# Altium PCB ALCT_MEZ_LX100.PcbDoc (part 5 of 10)
Units mil, origin at the board's own origin, x right, y up, seen from the top; angles counter-clockwise.
Board outline 4100 x 5874.84 mil, 12 copper layers (Top Layer, GND, Mid-Layer 2, +3V3, Mid-Layer 4, +1V2, Mid-Layer 6, +1V8, Mid-Layer 8, +2V5, Mid-Layer 10, Bottom Layer), stack 64.7 mil thick; 544 components, 646 nets, 3089 pads, 1750 vias.
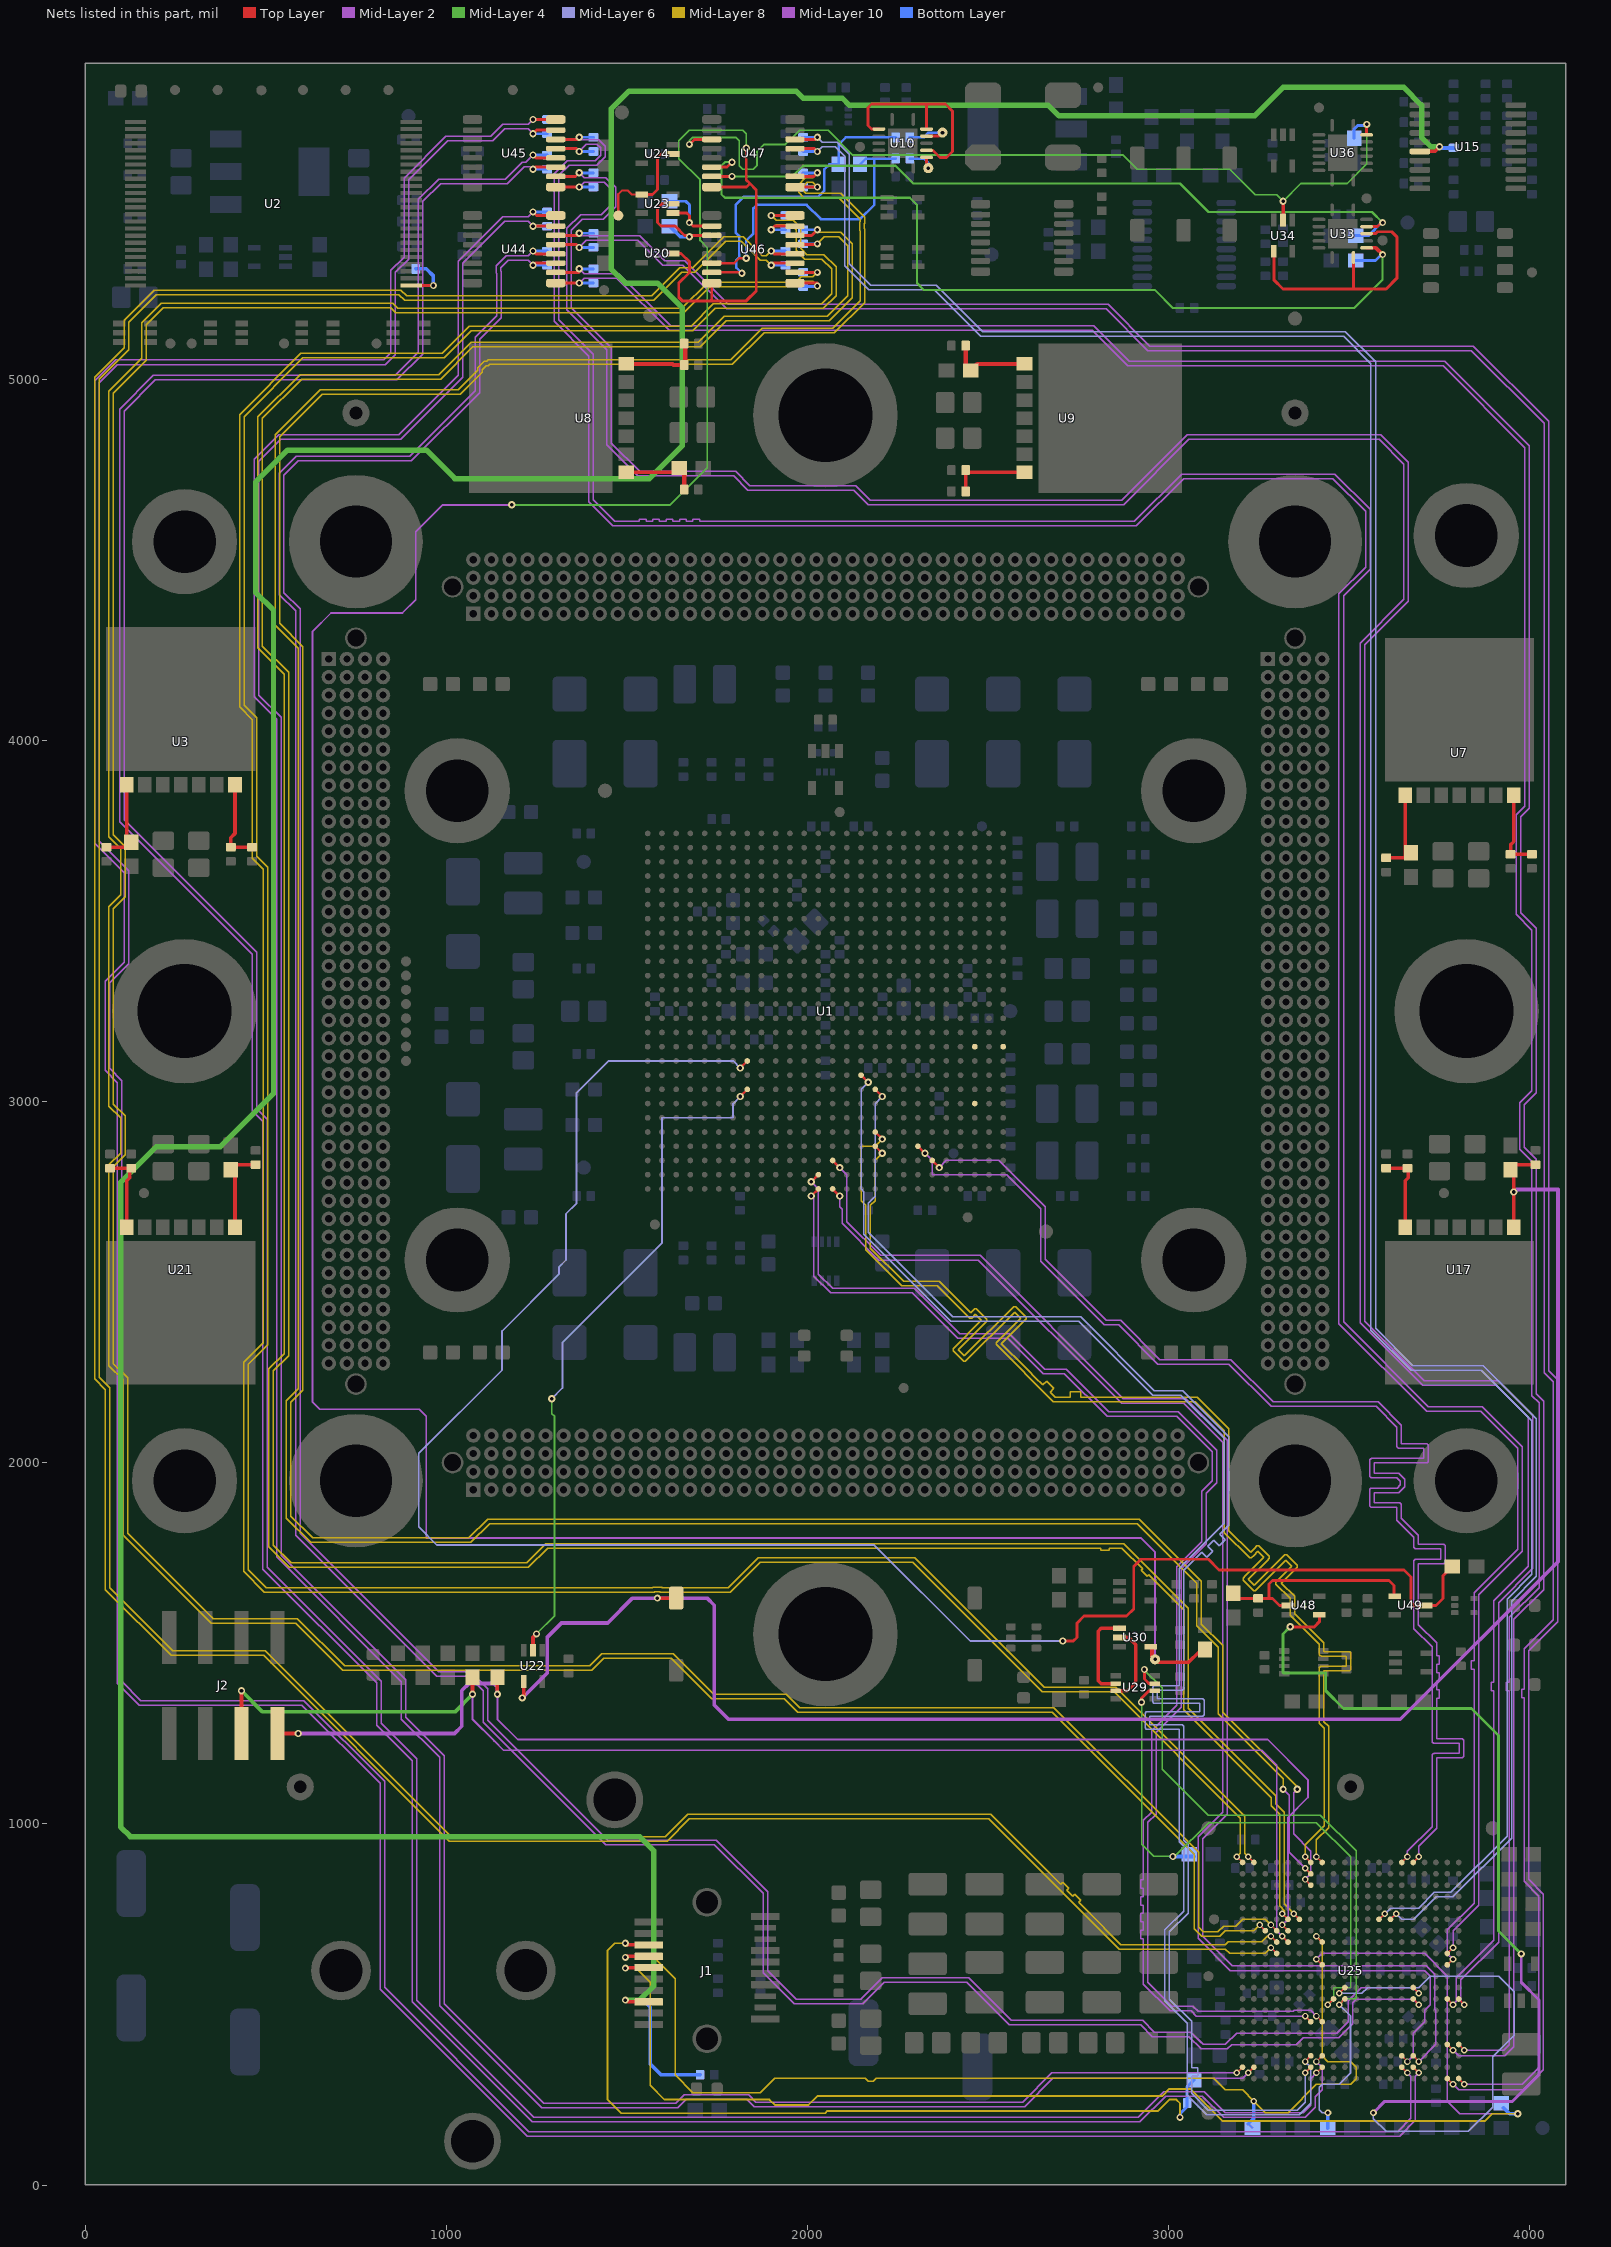
[diagram p15: the nets of this part, all layers, seen from the top]

## Via types
v1: diameter 20, hole 10, Top Layer to Bottom Layer, tented both sides, 1478 vias
v2: diameter 18, hole 10, Top Layer to Bottom Layer, tented both sides, 219 vias
v3: diameter 20, hole 10, Top Layer to Bottom Layer, 38 vias
v4: diameter 40, hole 20, Top Layer to Bottom Layer, 8 vias
v5: diameter 19, hole 10, Top Layer to Bottom Layer, tented both sides, 5 vias
v6: diameter 19, hole 10, Top Layer to Bottom Layer, 1 vias
v7: diameter 18, hole 10, Top Layer to Bottom Layer, 1 vias

## Nets (pads, with @x,y where several pads share a name; then routed paths per layer and width w, separated by ;. In a path a pad name is that pad's centre, name@x,y a point inside that pad or via, vN(x,y) a via of type N, cw(c..) or ccw(c..) an arc to the next point about the centre after c; other vN are vias at no path point) (continued)
elink11_n: U1.W17 U25.W7 | length 4577.3
  Top Layer w5: v2(3377.95,310.43) U25.W7@3393.7,326.18
  Top Layer w7: U1.W17@2187.8,3033.46 v1(2207.48,3013.78)
  Mid-Layer 6 w3.5: v1(2207.48,3013.78) 2187.8,2994.09 2187.8,2738.19 2168.11,2718.5 2168.11,2637.76 2402.32,2403.54 2756.65,2403.54 2960.69,2199.51 3039.43,2199.51 3166.75,2072.19 3166.75,1826.88 3149.61,1809.74 3141.3,1801.43 3156.38,1786.35 3139.76,1769.74 3124.68,1784.81 3108.06,1768.2 3121.85,1754.41 3105.24,1737.79 3091.45,1751.58 3053.67,1713.8 3041.34,1701.47 3041.34,1373.61 3037.68,1369.95 2968.02,1369.95 2968.02,1346.45 3094.52,1346.45 3098.19,1342.79 3098.19,1301.61 3094.52,1297.95 2947.38,1297.95 2947.38,1274.45 3037.68,1274.45 3041.34,1270.79 3041.34,954.92 3053.84,942.42 3053.84,752.89 3001.97,701.02 3001.97,514.71 3063.68,453 3063.68,355.12 3063.68,325.29 3080.35,325.29 3080.35,301.79 3063.68,301.79 3063.68,278.29 3063.68,266.54 3063.68,253.44 3110.24,206.89 3356.3,206.89 3377.95,228.54 v2(3377.95,310.43)
elink11_p: U1.V16 U25.V7 | length 4577.3
  Top Layer w5: v2(3377.95,341.93) U25.V7@3393.7,357.68
  Top Layer w7: U1.V16@2148.43,3072.83 v1(2168.11,3053.15)
  Mid-Layer 6 w3.5: v1(2168.11,3053.15) 2148.43,3033.46 2148.43,2757.87 2155.61,2750.69 2155.61,2718.5 2155.61,2632.58 2397.15,2391.04 2751.48,2391.04 2955.51,2187.01 3034.25,2187.01 3154.25,2067.01 3154.25,1832.06 3140.77,1818.58 3132.46,1810.27 3115.84,1793.65 3099.23,1777.03 3082.61,1760.42 3044.83,1722.64 3028.84,1706.65 3028.84,1382.45 2968.02,1382.45 2959.18,1382.45 2955.52,1378.79 2955.52,1369.95 2955.52,1346.45 2955.52,1337.61 2959.18,1333.95 2968.02,1333.95 3085.69,1333.95 3085.69,1310.45 2947.38,1310.45 2938.55,1310.45 2934.88,1306.79 2934.88,1297.95 2934.88,1274.45 2934.88,1265.61 2938.55,1261.95 2947.38,1261.95 3028.84,1261.95 3028.84,949.74 3041.34,937.24 3041.34,758.07 2989.47,706.2 2989.47,509.53 3051.18,447.82 3051.18,355.12 3051.18,325.29 3051.18,301.79 3051.18,278.29 3051.18,266.54 3051.18,248.27 3105.06,194.39 3361.48,194.39 3386.79,219.7 3393.7,226.61 3393.7,326.18 v2(3377.95,341.93)
elink12_n: U1.AD21 U25.A16 | length 3761.3
  Top Layer w5: U25.A16@3677.17,893.11 v2(3692.91,908.86)
  Top Layer w7: U1.AD21@2345.28,2836.61 v1(2364.96,2816.93)
  Mid-Layer 10 w3.5: v1(2364.96,2816.93) 2384.65,2836.61 2530.28,2836.61 2658.71,2708.18 2658.71,2562.55 2827.56,2393.7 2866.93,2393.7 2975.2,2285.43 3172.05,2285.43 3289.27,2168.21 3579.76,2168.21 3644.33,2103.64 3644.33,2052.68 3713.08,2052.68 cw(c3713.08,2046.43) 3719.33,2046.43 3719.33,2005.43 cw(c3713.08,2005.43) 3713.08,1999.18 3569.33,1999.18 3569.33,1970.68 3637.31,1970.68 3654.23,1953.76 3654.23,1933.8 3637.61,1917.18 3569.33,1917.18 3569.33,1888.68 3638.08,1888.68 cw(c3638.08,1882.43) 3644.33,1882.43 3644.33,1845.73 3691.49,1798.57 3691.49,1773.73 3760.24,1773.73 cw(c3760.24,1767.48) 3766.49,1767.48 3766.49,1726.48 cw(c3760.24,1726.48) 3760.24,1720.23 3691.49,1720.23 3691.49,1551.06 3741.81,1500.74 3741.81,1476.57 3741.81,1464.82 3749.81,1464.82 3749.81,1441.32 3741.81,1441.32 3741.81,1417.82 3749.81,1417.82 3749.81,1394.32 3741.81,1394.32 3741.81,1370.82 3749.81,1370.82 3749.81,1347.32 3741.81,1347.32 3741.81,1338.78 3741.81,1235.75 3810.56,1235.75 cw(c3810.56,1229.5) 3816.81,1229.5 3816.81,1188.5 cw(c3810.56,1188.5) 3810.56,1182.25 3741.81,1182.25 3741.81,987.32 3692.91,938.42 v2(3692.91,908.86)
elink12_p: U1.AC20 U25.A15 | length 3771.3
  Top Layer w5: U25.A15@3645.67,893.11 v2(3661.42,908.86)
  Top Layer w7: U1.AC20@2305.91,2875.98 v1(2325.59,2856.3)
  Mid-Layer 10 w3.5: v1(2325.59,2856.3) 2345.28,2836.61 2345.28,2797.24 2551.97,2797.24 2646.21,2703 2646.21,2557.37 2822.38,2381.2 2861.75,2381.2 2970.02,2272.93 3166.87,2272.93 3284.09,2155.71 3574.59,2155.71 3631.83,2098.46 3631.83,2046.43 ccw(c3638.08,2046.43) 3638.08,2040.18 3706.83,2040.18 3706.83,2011.68 3563.08,2011.68 ccw(c3563.08,2005.43) 3556.83,2005.43 3556.83,1964.43 ccw(c3563.08,1964.43) 3563.08,1958.18 3632.13,1958.18 3641.73,1948.58 3641.73,1938.98 3632.44,1929.68 3563.08,1929.68 ccw(c3563.08,1923.43) 3556.83,1923.43 3556.83,1882.43 ccw(c3563.08,1882.43) 3563.08,1876.18 3631.83,1876.18 3631.83,1840.55 3678.99,1793.39 3678.99,1767.48 ccw(c3685.24,1767.48) 3685.24,1761.23 3753.99,1761.23 3753.99,1732.73 3685.24,1732.73 ccw(c3685.24,1726.48) 3678.99,1726.48 3678.99,1540.7 3729.31,1490.38 3729.31,1417.82 3729.31,1394.32 3729.31,1338.78 3729.31,1229.5 ccw(c3735.56,1229.5) 3735.56,1223.25 3804.31,1223.25 3804.31,1194.75 3735.56,1194.75 ccw(c3735.56,1188.5) 3729.31,1188.5 3729.31,992.5 3661.42,924.61 v2(3661.42,908.86)
elink13_n: U1.AC17 U25.A8 | length 3759
  Top Layer w5: v2(3409.45,908.86) U25.A8@3425.2,893.11
  Top Layer w7: U1.AC17@2187.8,2875.98 v1(2207.48,2856.3)
  Mid-Layer 8 w3.5: v1(2207.48,2856.3) 2187.8,2836.61 2187.8,2725.69 2174.36,2712.25 2174.36,2594.14 2266.54,2501.97 2364.96,2501.97 2452.01,2414.92 2462.75,2425.66 2467.93,2425.66 2497.05,2396.55 2497.05,2391.37 2418.17,2312.49 2434.79,2295.87 2571.04,2432.13 2576.22,2432.13 2605.34,2403.01 2605.34,2397.84 2537.22,2329.71 2601.18,2265.75 2611.26,2255.67 2631.41,2235.52 2651.56,2215.37 2662.17,2225.97 2682.32,2205.82 2671.72,2195.21 2685.55,2181.37 2699.8,2181.37 2728.3,2181.37 2728.3,2196.37 2756.8,2196.37 2756.8,2181.37 2785.3,2181.37 2788.19,2181.37 3078.8,2181.37 3166.75,2093.42 3166.75,1811.75 3226.81,1751.69 3238.22,1763.1 3244.47,1769.35 3249.65,1769.35 3278.77,1740.24 3278.77,1735.06 3272.52,1728.81 3221.17,1677.46 3237.79,1660.84 3321.93,1744.98 3327.1,1744.98 3333.35,1738.73 3349.97,1722.12 3356.22,1715.87 3356.22,1710.69 3349.97,1704.44 3312.02,1666.49 3349.11,1629.39 3349.11,1582.19 3429.36,1501.94 3429.36,1477.1 3498.11,1477.1 cw(c3498.11,1470.85) 3504.36,1470.85 3504.36,1429.85 cw(c3498.11,1429.85) 3498.11,1423.6 3429.36,1423.6 3429.36,1283.14 3442.78,1269.72 3442.78,989.43 3409.45,956.1 v2(3409.45,908.86)
elink13_p: U1.AB17 U25.A7 | length 3785.6
  Top Layer w5: v2(3377.95,908.86) U25.A7@3393.7,893.11
  Top Layer w7: U1.AB17@2187.8,2915.35 v1(2207.48,2895.67)
  Mid-Layer 8 w3.5: v1(2207.48,2895.67) 2187.8,2875.98 2148.43,2875.98 2148.43,2725.69 2161.86,2712.25 2161.86,2588.97 2261.36,2489.47 2359.78,2489.47 2449.42,2399.83 2454.6,2399.83 2465.34,2410.58 2481.96,2393.96 2403.08,2315.08 2403.08,2309.9 2432.2,2280.78 2437.38,2280.78 2573.63,2417.04 2590.25,2400.42 2522.13,2332.3 2522.13,2327.12 2680.38,2168.87 3073.62,2168.87 3154.25,2088.25 3154.25,1806.58 3224.22,1736.6 3229.4,1736.6 3235.65,1742.85 3247.06,1754.27 3263.68,1737.65 3212.33,1686.3 3206.08,1680.05 3206.08,1674.87 3235.2,1645.76 3240.38,1645.76 3324.51,1729.89 3341.13,1713.28 3303.18,1675.32 3296.93,1669.07 3296.93,1663.9 3336.61,1624.21 3336.61,1577.01 3416.86,1496.77 3416.86,1470.85 ccw(c3423.11,1470.85) 3423.11,1464.6 3491.86,1464.6 3491.86,1436.1 3423.11,1436.1 ccw(c3423.11,1429.85) 3416.86,1429.85 3416.86,1277.97 3430.28,1264.55 3430.28,994.61 3377.95,942.28 v2(3377.95,908.86)
en_1v2: C12.1 R11.2 U9.1 | length 231.4
  Top Layer w12: C12.1@2438.19,5092.52 2438.19,5037.4 R11.2@2451.97,5023.62 2470.28,5041.93 U9.1@2601.18,5041.93
en_1v5: C6.1 R4.2 U7.1 | length 247.4
  Top Layer w10: C6.1@3602.36,3674.61 R4.2@3655.32,3674.61 ; U7.1@3655.32,3847.44 R4.2@3655.32,3674.61 ; R4.2@3671.26,3688.39 3657.48,3674.61 R4.2@3655.32,3674.61
en_1v5a: C161.1 R105.2 U21.1 | length 247.4
  Top Layer w10: R105.2@399.21,2811.22 412.99,2825 R105.2@415.16,2825 ; U21.1@415.16,2652.17 R105.2@415.16,2825 ; C161.1@468.11,2825 R105.2@415.16,2825
en_1v8: C9.1 R8.2 U8.1 | length 232.7
  Top Layer w10: U8.1@1498.82,4741.93 1626.58,4741.93 1648.03,4763.39 R8.2@1648.03,4753.54
  Top Layer w12: R8.2@1644.88,4753.54 1658.66,4739.76 C9.1@1658.66,4694.49
en_2v5: C4.1 R3.2 U3.1 | length 241.2
  Top Layer w10: C4.1@59.06,3704.13 114.17,3704.13 R3.2@127.95,3717.91 115.16,3730.71 U3.1@115.16,3876.97 ; R3.2@129.53,3716.34 R3.2@131.1,3717.91
en_2v5_sfp: C158.1 J7.1 R102.2 U17.1 U22.4 | length 5023.3
  Top Layer w10: v1(1210.63,1348.62) 1214.57,1352.56 U22.4@1214.57,1393.9 ; v3(1584.65,1625) J7.1@1636.61,1625 ; R102.2@3939.37,2811.22 3953.15,2825 R102.2@3955.32,2825 ; U17.1@3955.32,2652.17 R102.2@3955.32,2825 ; C158.1@4008.27,2825 R102.2@3955.32,2825
  Mid-Layer 2 w10: v1(1210.63,1348.62) 1280.12,1418.11 1280.12,1517.13 1318.9,1555.91 1446.85,1555.91 1515.94,1625 v3(1584.65,1625) 1722.24,1625 1742.13,1605.12 1742.13,1328.94 1781.5,1289.57 3641.73,1289.57 4078,1725.83 4078,2756.1 3962.01,2756.1 v1(3955.32,2749.41)
en_2v5_sfp_xfpga: U1.W8 U22.2 | length 1920.5
  Top Layer w7: v1(1813.78,3013.78) U1.W8@1833.46,3033.46
  Top Layer w10: U22.2@1240.16,1480.51 1240.16,1515.95 v1(1250,1525.79)
  Mid-Layer 4 w5: v1(1250,1525.79) 1300,1575.79 1300,2127.95 1292.13,2135.83 v1(1292.13,2177.17)
  Mid-Layer 6 w5: v1(1292.13,2177.17) 1321.65,2206.69 1321.65,2331.99 1597.24,2607.58 1597.24,2954.72 1794.09,2954.72 1794.09,2994.09 v1(1813.78,3013.78)
en_ext_sel: R43.1 U2.25 | length 144.8
  Top Layer w8: U2.25@903.54,5259.25 v1(964.57,5259.25)
  Bottom Layer w10: R43.1@915.35,5305.32 944.88,5305.32 964.57,5285.63 v1(964.57,5259.25)
FB12: R10.2 R12.1 U9.7 | length 224.6
  Top Layer w10: R12.1@2438.19,4688.98 R10.2@2438.19,4748.03 2444.29,4741.93 U9.7@2601.18,4741.93
FB15: R2.2 R6.1 U7.7 | length 225.6
  Top Layer w10: U7.7@3955.32,3847.44 3955.32,3719.29 3946.85,3710.83 R2.2@3946.85,3684.45 R6.1@4005.91,3684.45
FB15A: R104.2 R106.1 U21.7 | length 225.6
  Top Layer w10: R106.1@64.57,2815.16 123.62,2815.16 123.62,2788.78 115.16,2780.32 U21.7@115.16,2652.17
FB18: R7.2 R9.1 U8.7 | length 223.3
  Top Layer w11.81: U8.7@1498.82,5041.93 1626.18,5041.93 1629.13,5038.98 R7.2@1658.66,5038.98 1661.81,5038.98 R9.1@1661.81,5098.03
FB25_AUX: R1.2 R5.1 U3.7 | length 236.7
  Top Layer w10: U3.7@415.16,3876.97 415.16,3742.13 403.54,3730.51 R1.2@403.54,3704.13 R5.1@462.6,3704.13
FB25_SFP: R101.2 R103.1 U17.7 | length 225.6
  Top Layer w10: R103.1@3604.72,2815.16 3663.78,2815.16 3663.78,2788.78 3655.32,2780.32 U17.7@3655.32,2652.17
fcs: U1.T24
foe: U1.T26
fwe: U1.Y24
gbt_cclk: U10.3 U10.6 U10.9 | length 599.6
  Top Layer w8: U10.9@2197.83,5692.32 2177.17,5692.32 2167.32,5702.17 2167.32,5751.38 2177.17,5761.22 2324.8,5761.22 ; U10.3@2329.72,5633.27 2347.44,5633.27 2367.13,5613.58 2385.17,5613.58 2401.57,5629.98 2401.57,5741.54 2381.89,5761.22 2324.8,5761.22 ; U10.6@2329.72,5692.32 2329.72,5756.3 2324.8,5761.22
gbt_clk40_n: U1.AF14 U25.V15 | length 3782.9
  Top Layer w5: U25.V15@3645.67,357.68 v2(3661.42,341.93)
  Top Layer w7: U1.AF14@2069.68,2757.87 v1(2089.37,2738.19)
  Mid-Layer 10 w3.5: v1(2089.37,2738.19) 2089.37,2708.66 2096.56,2701.48 2096.56,2662.11 2197.64,2561.02 2473.23,2561.02 2869.59,2164.67 3041.97,2164.67 3149.55,2057.09 3149.55,1031.46 3081.99,963.9 3081.99,683.21 3171.3,593.9 3708.66,593.9 3724.41,578.15 3724.41,499.41 3708.66,483.66 3708.66,452.17 3677.17,420.67 3677.17,357.68 v2(3661.42,341.93)
gbt_clk40_p: U1.AD14 U25.V16 | length 3861.6
  Top Layer w5: U25.V16@3677.17,357.68 v2(3692.91,341.93)
  Top Layer w7: U1.AD14@2069.68,2836.61 v1(2089.37,2816.93)
  Mid-Layer 10 w3.5: v1(2089.37,2816.93) 2109.06,2797.24 2109.06,2667.28 2202.82,2573.52 2478.41,2573.52 2874.76,2177.17 3047.14,2177.17 3162.05,2062.26 3162.05,1026.28 3094.49,958.72 3094.49,688.39 3176.48,606.4 3713.84,606.4 3736.91,583.33 3736.91,486.91 3740.16,483.66 3740.16,389.17 v2(3692.91,341.93)
gbt_clk320_n: U1.AF13 U25.R7 | length 3678
  Top Layer w5: v2(3377.95,467.91) U25.R7@3393.7,452.17
  Top Layer w7: v1(2010.63,2738.19) U1.AF13@2030.31,2757.87
  Mid-Layer 10 w3.5: v1(2010.63,2738.19) 2017.82,2731 2017.82,2516.48 2064.51,2469.78 2290.89,2469.78 2416.18,2344.49 2553.98,2344.49 2652.4,2246.06 2711.46,2246.06 2829.57,2127.95 3022.05,2127.95 3120.25,2029.75 3120.25,1949.19 3091.56,1920.49 3091.56,1780.69 3022.66,1711.79 3022.66,1327.93 2952.76,1258.03 2952.76,1031.65 2930.41,1009.31 2930.41,964.76 2930.41,845.74 2922.56,845.74 2922.56,822.24 2930.41,822.24 2930.41,798.74 2922.56,798.74 2922.56,775.24 2930.41,775.24 2930.41,751.74 2922.57,751.74 2922.57,728.24 2930.41,728.24 2930.41,704.74 2922.57,704.74 2922.57,681.24 2930.41,681.24 2930.41,669.49 2930.41,556.04 3003.98,482.48 3062.24,482.48 3076.81,467.91 v2(3377.95,467.91)
gbt_clk320_p: U1.AE13 U25.R8 | length 3678
  Top Layer w5: v2(3409.45,467.91) U25.R8@3425.2,452.17
  Top Layer w7: v1(2010.63,2777.56) U1.AE13@2030.31,2797.24
  Mid-Layer 10 w3.5: v1(2010.63,2777.56) 2030.32,2757.87 2030.32,2521.65 2069.69,2482.28 2296.06,2482.28 2421.36,2356.99 2559.15,2356.99 2657.58,2258.56 2716.63,2258.56 2834.74,2140.45 3027.22,2140.45 3132.75,2034.93 3132.75,1944.01 3104.06,1915.31 3104.06,1775.51 3035.16,1706.61 3035.16,1322.76 2965.26,1252.85 2965.26,1026.48 2942.91,1004.13 2942.91,561.22 3009.15,494.98 3067.42,494.98 3081.99,480.41 3345.33,480.41 3348.08,483.16 3394.2,483.16 v2(3409.45,467.91)
gbt_dskw_cclk: R54.2 R62.1 U46.14 | length 851.5
  Top Layer w7: U46.14@1735.24,5321.06 1797.44,5321.06 1811.22,5334.84 1811.42,5334.65 v3(1830.71,5334.65)
  Bottom Layer w7: v3(1830.71,5334.65) 1830.71,5383.86 1850.39,5403.54 1850.39,5472.44 1860.43,5482.48 1998.03,5482.48 2037.4,5443.11 2145.67,5443.11 2185.04,5482.48 2185.04,5610.43 ; R54.2@2145.67,5594.69 2161.42,5610.43 2185.04,5610.43 ; R62.1@2244.09,5610.43 2185.04,5610.43
gbt_dskw_cclk_n: R121.2 U25.J4 U46.4 | length 9320.1
  Top Layer w5: v2(3283.46,656.89) U25.J4@3299.21,641.14
  Top Layer w8: v1(1899.61,5354.53) 1907.48,5346.65 U46.4@1965.55,5346.65
  Mid-Layer 8 w3.5: v1(1899.61,5354.53) 1886.17,5341.09 1875.26,5341.09 1822.65,5393.7 1768.8,5393.7 1683.07,5307.97 1646.36,5307.97 1568.62,5230.24 890,5230.24 874.17,5246.06 191.48,5246.06 108.27,5162.85 108.27,5086.77 26.87,5005.37 26.87,2231.77 56.4,2202.24 56.4,1648.56 238.23,1466.73 494.13,1466.73 1008.6,952.26 1611.52,952.26 1673.23,1013.98 2502.01,1013.98 2862.76,653.23 3157.48,653.23 3169.07,641.64 3268.21,641.64 v2(3283.46,656.89)
  Bottom Layer w8: v1(1899.61,5354.53) R121.2@1938.98,5354.53
gbt_dskw_cclk_p: R121.1 U25.H4 U46.3 | length 9308.1
  Top Layer w5: v2(3283.46,688.39) U25.H4@3299.21,672.64
  Top Layer w8: v1(1899.61,5315.16) 1905.51,5321.06 U46.3@1965.55,5321.06
  Mid-Layer 8 w3.5: v1(1899.61,5315.16) 1886.17,5328.59 1870.08,5328.59 1817.47,5381.2 1773.98,5381.2 1688.25,5295.47 1652.04,5295.47 1574.3,5217.74 884.82,5217.74 869,5233.56 196.65,5233.56 120.77,5157.68 120.77,5081.59 39.37,5000.2 39.37,2236.95 68.9,2207.42 68.9,1653.74 243.41,1479.23 499.31,1479.23 1013.78,964.76 1606.34,964.76 1668.05,1026.48 2507.19,1026.48 2691.93,841.73 2700.81,832.85 2706.47,838.5 2723.09,821.89 2717.43,816.23 2734.05,799.61 2739.71,805.27 2756.32,788.65 2750.67,783 2767.28,766.38 2775.59,758.07 2867.93,665.73 3157.48,665.73 3164.89,673.14 3245.65,673.14 3258.29,673.14 3273.54,688.39 v2(3283.46,688.39)
  Bottom Layer w8: v1(1899.61,5315.16) R121.1@1938.98,5315.16
gbt_dskw_cclk_term: DSKW_CLK.1 R62.2 U10.2 | length 102.2
  Top Layer w8: U10.2@2329.72,5613.58 2329.72,5598.82 2334.65,5593.9 v1(2334.65,5584.06)
  Bottom Layer w7: R62.2@2283.46,5610.43 2322.83,5610.43 2334.65,5598.62 v1(2334.65,5584.06)
gbt_eprt_cclk: R55.2 R63.1 U46.15 | length 875.2
  Top Layer w7: U46.15@1735.24,5295.47 1815.98,5295.47 v3(1818.61,5292.85)
  Bottom Layer w7: v3(1818.61,5292.85) 1803.04,5308.41 1803.04,5329.14 1811.02,5337.12 1811.02,5396.16 1801.18,5406.01 1801.18,5482.48 1824.02,5505.32 2030.72,5505.32 2047.24,5521.85 2047.24,5580.91 2061.02,5594.69 R55.2@2086.61,5594.69 2086.61,5649.8 2106.3,5669.49 R63.1@2244.09,5669.49
gbt_eprt_cclk_n: R120.2 U25.G4 U46.1 | length 9297.4
  Top Layer w5: v2(3283.46,719.88) U25.G4@3299.21,704.13
  Top Layer w8: U46.1@1965.55,5265.95 v1@2027.56,5265.95
  Mid-Layer 8 w3.5: v1(2027.56,5257.76) 2014.95,5270.37 1988.19,5270.37 1973.93,5256.1 1813.73,5256.1 1813.5,5255.88 1788.86,5255.88 1788.64,5256.1 1730.28,5256.1 1657.72,5183.54 859.96,5183.54 846.46,5197.05 216.54,5197.05 169.98,5150.49 169.98,5052.07 78.74,4960.83 78.74,3738.35 111.93,3705.16 111.93,3566.85 78.74,3533.66 78.74,2992.32 110.93,2960.14 110.93,2852.01 78.74,2819.82 78.74,2273.82 118.05,2234.51 118.05,1804.1 354.33,1567.82 587.89,1567.82 718.5,1437.2 1397.64,1437.2 1430.83,1470.39 1628.19,1470.39 1740.12,1358.46 1941.63,1358.46 1978.35,1321.75 2682.34,1321.75 3083.37,920.73 3083.37,714.04 3096.52,700.89 3136.55,700.89 3152.3,716.63 3185.73,716.63 3204.72,735.63 3267.72,735.63 v2(3283.46,719.88)
  Bottom Layer w4: v1@2019.37,5256.1 v1@2027.56,5264.29
  Bottom Layer w8: R120.2@1988.19,5256.1 v1@2019.37,5256.1
gbt_eprt_cclk_p: R120.1 U25.G3 U46.2 | length 9296
  Top Layer w5: v2(3251.97,719.88) U25.G3@3267.72,704.13
  Top Layer w8: U46.2@1965.55,5295.47 v1(2027.56,5295.47)
  Mid-Layer 8 w3.5: v1(2027.56,5295.47) 2014.95,5282.87 1983.01,5282.87 1968.75,5268.6 1808.55,5268.6 1808.33,5268.38 1794.04,5268.38 1793.81,5268.6 1725.1,5268.6 1652.54,5196.04 865.14,5196.04 851.63,5209.55 211.36,5209.55 157.48,5155.67 157.48,5057.24 66.24,4966 66.24,3733.17 99.43,3699.98 99.43,3572.03 66.24,3538.84 66.24,2987.15 98.43,2954.96 98.43,2857.19 66.24,2825 66.24,2268.64 105.55,2229.33 105.55,1798.92 349.15,1555.32 582.72,1555.32 713.33,1424.7 1402.82,1424.7 1436,1457.89 1623.01,1457.89 1734.94,1345.96 1936.46,1345.96 1973.17,1309.25 2677.17,1309.25 3070.87,915.55 3070.87,708.86 3091.34,688.39 3141.73,688.39 3157.48,704.13 3236.22,704.13 v2(3251.97,719.88)
  Bottom Layer w8: R120.1@1988.19,5295.47 v1(2027.56,5295.47)
gbt_eprt_cclk_term: EPRT_CLK.1 R63.2 U10.5 | length 144.3
  Top Layer w8: U10.5@2329.72,5672.64 2364.17,5672.64 v1(2374.02,5682.48)
  Bottom Layer w7: R63.2@2283.46,5669.49 2322.83,5669.49 2335.83,5682.48 v1(2374.02,5682.48)
gbt_ld_reset: J1.3 R72.2 R93.2 | length 2317.2
  Top Layer w10: v1(1496.06,669.49) 1500.79,664.76 J1.3@1560.63,664.76
  Mid-Layer 8 w5: v1(1496.06,669.49) 1466.54,669.49 1446.85,649.8 1446.85,236.42 1484.54,198.73 2048.93,198.73 2055.4,205.2 2970.76,205.2 3001.97,236.42 3021.65,236.42 3031.5,226.57 v1(3031.5,187.2)
  Bottom Layer w8: v1(3031.5,187.2) 3031.5,197.05 3051.18,216.73 R93.2@3051.18,226.57 3051.18,271.85 R72.2@3070.87,291.54
gbt_ld_scl: J1.5 R70.2 U25.K8 | length 3942
  Top Layer w5: v2(3409.45,625.39) U25.K8@3425.2,609.65
  Top Layer w10: v1(1496.06,600.59) 1497.24,601.77 J1.5@1560.63,601.77
  Mid-Layer 8 w5: v1(1496.06,600.59) 1525.59,600.59 1564.96,561.22 1564.96,275.79 1604.33,236.42 1894.69,236.42 1909.45,221.65 2002.95,221.65 2027.56,246.26 2982.28,246.26 3001.97,265.94 3060.24,265.94 3148.82,177.36 3876.56,177.36 3896.24,197.05 v1(3966.54,197.05)
  Mid-Layer 10 w4: v2(3409.45,625.39) 3425.2,641.14 3708.66,641.14 3771.65,578.15 3771.65,231.69
  Mid-Layer 10 w5: 3771.65,231.69 3806.3,197.05 v1(3966.54,197.05)
  Bottom Layer w10: R70.2@3927.17,213.98 3944.09,197.05 v1(3966.54,197.05)
gbt_ld_sda: J1.4 R71.2 U25.H8 | length 3085.3
  Top Layer w5: v2(3409.45,688.39) U25.H8@3425.2,672.64
  Top Layer w10: v1(1496.06,630.12) 1499.21,633.27 J1.4@1560.63,633.27
  Mid-Layer 8 w4: v1(1496.06,630.12) 1574.8,630.12 1633.86,571.06 1633.86,305.32 1683.07,256.1 1870.08,256.1 1909.45,295.47 2160.29,295.47 2167.95,287.82 2182.45,287.82 2190.1,295.47 3125.2,295.47 3157.48,263.19 3204.72,263.19 v2(3236.22,231.69) 3267.72,200.2 3330.71,200.2 3409.45,278.94 3503.94,278.94 3519.69,294.69 3519.69,326.18 3503.94,341.93 3440.95,341.93 3425.2,357.68 3425.2,672.64 v2(3409.45,688.39)
  Bottom Layer w4: R71.2@3220.47,169.49 R71.2@3232.28,157.68
  Bottom Layer w10: R71.2@3220.47,169.49 3236.22,185.24 v2(3236.22,231.69)
gbt_o\v\e\r\r\i\d\e\: U33.1 U33.4 U34.4 | length 732.6
  Top Layer w8: U34.4@3291.34,5349.41 3291.34,5275 3316.93,5249.41 3513.78,5249.41 ; U33.1@3511.81,5336.61 3511.81,5251.38 3513.78,5249.41 ; U33.4@3548.23,5402.56 3572.83,5402.56 3578.33,5408.06 3617.73,5408.06 3631.89,5393.9 3631.89,5278.94 3602.36,5249.41 3513.78,5249.41